# Allegro board TubiiPCB_V6.brd (continued)
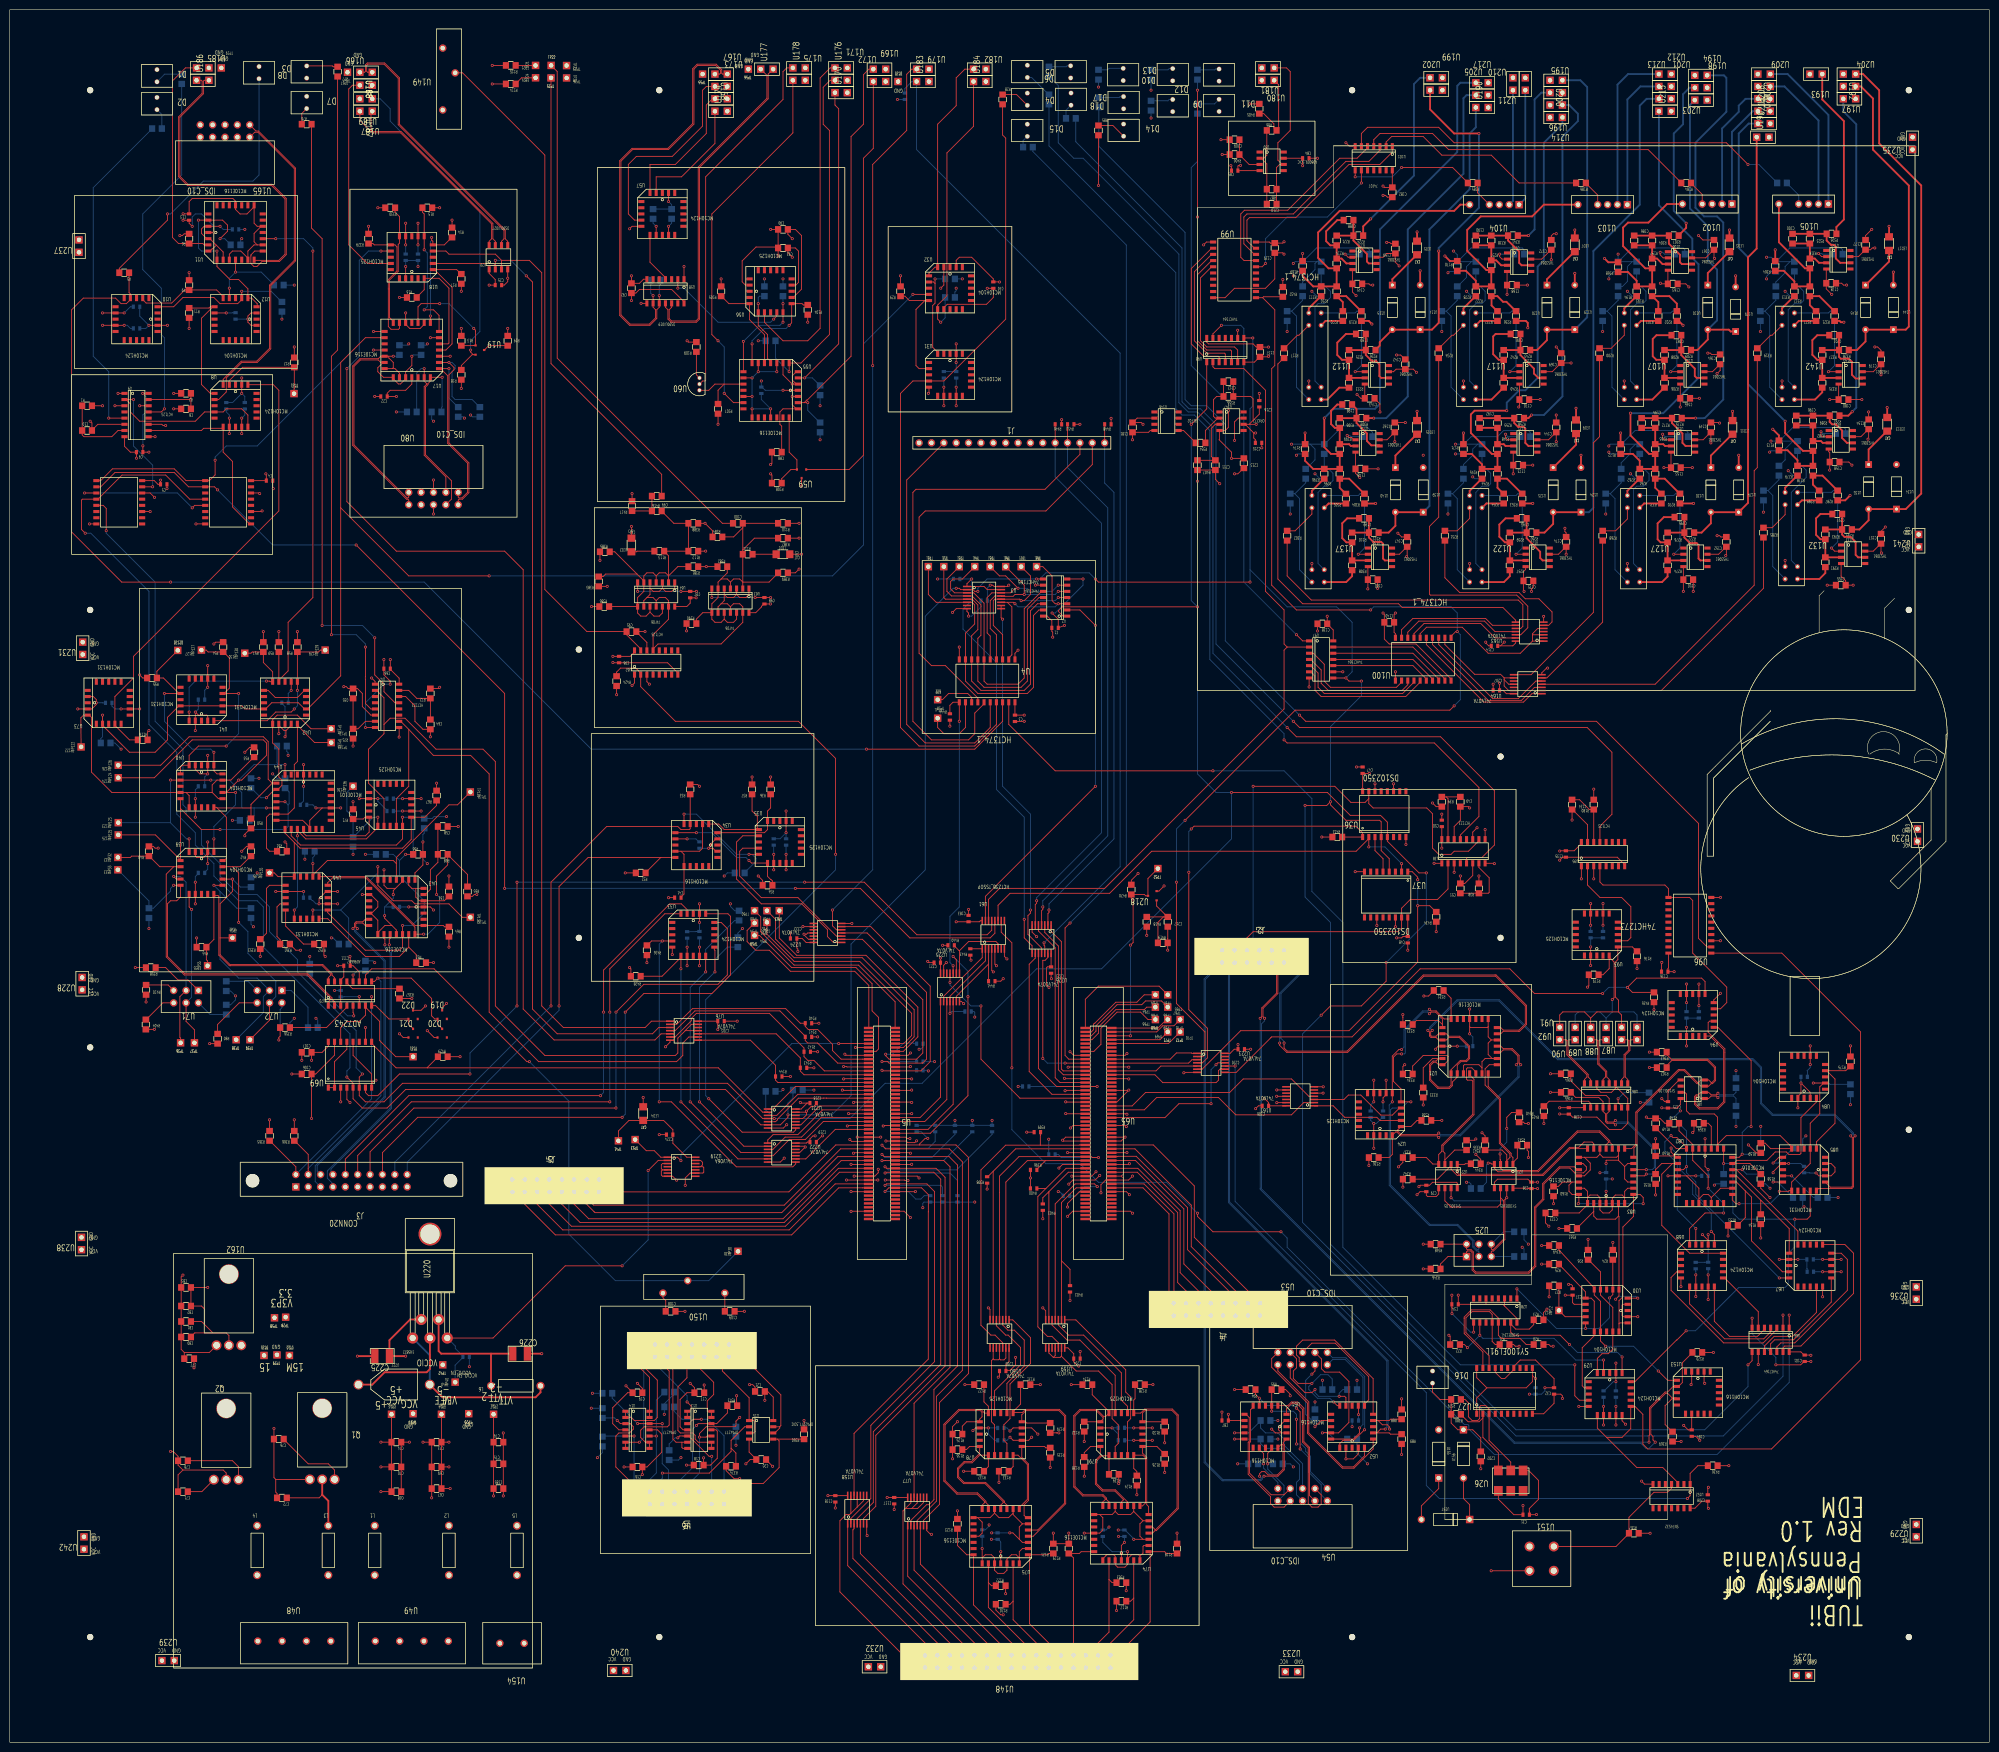
[diagram p0: board, top side]
## Routing (per net, layer and track width the routed paths; a pad name or vN(x,y) marks a point on that pad's centre or on a via; arc(x,y) is an arc through that point) (continued)
V3P3: length 305.8
  TOP w0.178: v1(162.31,131.32) 162.43,131.19 163.7,131.19 ; v1(40.64,93.34) C83.1 C82.2 39.37,89.53 40,88.9 40,85.72 ; R403.2 v1(217.68,90.68) ; U161.14 C206.1 258.44,131.3 257.66,132.08 v1(257.56,132.08) ; 163.7,131.19 162.48,129.97 U221.14 ; 163.7,131.19 C218.1 ; v1(206.5,78.99) 206.5,77.47 205.36,76.33 204.52,76.33 ; C81.2 39.37,86.36 40,85.72 ; 303.26,72.74 301.17,70.66 U27.1 ; 303.26,72.74 311.33,72.74 312.6,74.01 312.6,75.28 ; 303.26,72.74 301.17,74.82 U27.20 ; U77.14 C117.2 v1(180.14,50.24) ; U224.14 163.5,164.16 162.69,164.97 C222.2 161.59,163.02 161.8,162.81 v1(161.8,162.31) ; U226.14 C223.1 213.03,159.16 212.85,158.98 212.85,155.45 v1(213.36,154.94) ; R142.2 v1(165.86,141.73) ; R400.2 v1(209.55,115.82) R396.1 ; v1(252.17,143.21) C220.2 251.39,142.24 250.55,141.4 U223.14 ; R143.2 v1(165.1,138.43) ; LED4.2 v1(130.05,132.33) ; U26.6 311.82,55.79 313.87,53.74 313.87,49.88 311.97,47.98 311.97,47.39 311.99,47.37 C31.1 313.41,46.71 v1(313.44,46.74) ; v1(167.97,50.62) C118.2 U158.14 ; 40,85.72 41.7,84.03 ; v1(219.46,77.22) 219.3,77.22 218.44,78.08 C204.2 218.44,79.76 217.25,80.95 U159.14 ; U225.14 C221.2 v1(191.08,160.96) ; R140.2 v1(166.12,147.57) ; R144.2 v1(160.27,136.65) ; v1(145.36,146.3) C203.2 U76.14 ; U27.11 312.6,75.28 ; 312.6,75.28 v1(313.24,74.65) ; 204.52,76.33 C205.2 ; 204.52,76.33 204.52,77.52 205.16,78.16 U160.14 ; C80.2 37.2,83.24 37.99,84.03 41.7,84.03 ; R398.1 v1(200.66,113.54) ; R141.2 v1(165.86,144.78) ; 41.7,84.03 44.45,84.03 45,83.48 U162.2 ; R420.1 230.26,176.92 v1(231.65,178.31) ; v1(165.35,124.46) 164.89,124.46 164.29,123.85 C219.1 163.75,123.19 163.55,122.99 U222.14 ; R399.1 v1(208.79,125.22) ; R85.1 v1(223.52,319.53) ; R401.2 v1(212.09,107.44)
  VTT w0.178: 164.71,138.82 v1(165.1,138.43) ; v1(165.1,138.43) 165.49,138.82 ; v1(165.1,138.43) 165.49,138.04 ; v1(165.1,138.43) 164.71,138.04 ; v1(130.05,132.33) 130.44,131.94 ; v1(130.05,132.33) 130.44,132.73 ; v1(130.05,132.33) 129.65,132.73 ; v1(130.05,132.33) 129.65,131.94 ; v1(313.44,46.74) 313.83,47.13 ; v1(313.44,46.74) 313.83,46.34 ; v1(313.44,46.74) 313.04,47.13 ; v1(313.44,46.74) 313.04,46.34 ; v1(180.14,50.24) 180.53,49.85 ; v1(180.14,50.24) 179.74,50.63 ; v1(180.14,50.24) 179.74,49.85 ; v1(180.14,50.24) 180.53,50.63 ; 257.16,131.69 v1(257.56,132.08) ; v1(257.56,132.08) 257.95,132.47 ; v1(257.56,132.08) 257.16,132.47 ; v1(257.56,132.08) 257.95,131.69 ; 40.25,92.95 v1(40.64,93.34) ; v1(40.64,93.34) 41.03,93.74 ; v1(40.64,93.34) 41.03,92.95 ; v1(40.64,93.34) 40.25,93.74 ; 188.2,137.4 v1(188.59,137.8) ; v1(188.59,137.8) 188.99,138.19 ; v1(188.59,137.8) 188.2,138.19 ; v1(188.59,137.8) 188.99,137.4 ; 190.69,160.57 v1(191.08,160.96) ; v1(191.08,160.96) 191.48,160.57 ; v1(191.08,160.96) 190.69,161.35 ; v1(191.08,160.96) 191.48,161.35 ; 217.28,90.28 v1(217.68,90.68) ; v1(217.68,90.68) 218.07,90.28 ; v1(217.68,90.68) 218.07,91.07 ; v1(217.68,90.68) 217.28,91.07 ; 219.06,77.61 v1(219.46,77.22) 219.85,77.61 ; 197.73,110.48 v1(198.12,110.87) ; v1(198.12,110.87) 198.51,111.26 ; v1(198.12,110.87) 197.73,111.26 ; v1(198.12,110.87) 198.51,110.48 ; 206.64,134.99 v1(207.03,134.6) ; v1(207.03,134.6) 207.42,134.21 ; v1(207.03,134.6) 206.64,134.21 ; v1(207.03,134.6) 207.42,134.99 ; v1(166.12,147.57) 166.51,147.18 ; v1(166.12,147.57) 165.72,147.97 ; v1(166.12,147.57) 165.72,147.18 ; v1(166.12,147.57) 166.51,147.97 ; 159.88,136.26 v1(160.27,136.65) ; v1(160.27,136.65) 160.67,136.26 ; v1(160.27,136.65) 160.67,137.05 ; v1(160.27,136.65) 159.88,137.05 ; 208.39,125.62 v1(208.79,125.22) ; v1(208.79,125.22) 208.39,124.83 ; v1(208.79,125.22) 209.18,125.62 ; v1(208.79,125.22) 209.18,124.83 ; v1(223.52,319.53) 223.91,319.93 ; v1(223.52,319.53) 223.13,319.93 ; v1(223.52,319.53) 223.91,319.14 ; v1(223.52,319.53) 223.13,319.14 ; v1(161.8,162.31) 162.19,162.7 ; v1(161.8,162.31) 161.4,161.91 ; v1(161.8,162.31) 161.4,162.7 ; v1(161.8,162.31) 162.19,161.91 ; 200.27,113.14 v1(200.66,113.54) ; v1(200.66,113.54) 200.27,113.93 ; v1(200.66,113.54) 201.05,113.14 ; v1(200.66,113.54) 201.05,113.93 ; 212.97,154.55 v1(213.36,154.94) ; v1(213.36,154.94) 212.97,155.33 ; v1(213.36,154.94) 213.75,154.55 ; v1(213.36,154.94) 213.75,155.33 ; v1(165.35,124.46) 165.75,124.07 ; v1(165.35,124.46) 164.96,124.07 ; v1(165.35,124.46) 165.75,124.85 ; v1(165.35,124.46) 164.96,124.85 ; v1(197.61,127.63) 198.01,127.24 ; v1(197.61,127.63) 197.22,127.24 ; v1(197.61,127.63) 198.01,128.03 ; v1(197.61,127.63) 197.22,128.03 ; 193.66,127.24 v1(194.06,127.63) ; v1(194.06,127.63) 194.45,128.03 ; v1(194.06,127.63) 193.66,128.03 ; v1(194.06,127.63) 194.45,127.24 ; 211.7,107.84 v1(212.09,107.44) ; v1(212.09,107.44) 212.48,107.84 ; v1(212.09,107.44) 211.7,107.05 ; v1(212.09,107.44) 212.48,107.05 ; 161.91,131.71 v1(162.31,131.32) ; v1(162.31,131.32) 162.7,130.92 ; v1(162.31,131.32) 161.91,130.92 ; v1(162.31,131.32) 162.7,131.71 ; v1(215.27,113.03) 215.66,113.42 ; v1(215.27,113.03) 214.87,112.64 ; v1(215.27,113.03) 215.66,112.64 ; v1(215.27,113.03) 214.87,113.42 ; 201.28,127.24 v1(201.68,127.63) ; v1(201.68,127.63) 202.07,128.03 ; v1(201.68,127.63) 201.28,128.03 ; v1(201.68,127.63) 202.07,127.24 ; v1(206.5,78.99) 206.9,78.6 ; v1(206.5,78.99) 206.11,78.6 ; v1(206.5,78.99) 206.9,79.39 ; v1(206.5,78.99) 206.11,79.39 ; v1(165.86,141.73) 166.26,142.13 ; v1(165.86,141.73) 165.47,141.34 ; v1(165.86,141.73) 166.26,141.34 ; v1(165.86,141.73) 165.47,142.13 ; 144.97,145.91 v1(145.36,146.3) ; v1(145.36,146.3) 145.76,146.7 ; v1(145.36,146.3) 145.76,145.91 ; v1(145.36,146.3) 144.97,146.7 ; v1(167.97,50.62) 168.36,51.02 ; v1(167.97,50.62) 167.58,51.02 ; v1(167.97,50.62) 168.36,50.23 ; v1(167.97,50.62) 167.58,50.23 ; U162.2 45.76,82.23 ; U162.2 45.76,80.71 ; U162.2 44.23,82.23 ; U162.2 44.23,80.71 ; 292.7,64.81 U155.2 ; U155.2 292.7,63.46 ; U155.2 294.04,64.81 ; U155.2 294.04,63.46 ; 209.16,116.22 v1(209.55,115.82) ; v1(209.55,115.82) 209.94,115.43 ; v1(209.55,115.82) 209.94,116.22 ; v1(209.55,115.82) 209.16,115.43 ; v1(189.87,139.7) 190.26,140.09 ; v1(189.87,139.7) 190.26,139.31 ; v1(189.87,139.7) 189.47,140.09 ; v1(189.87,139.7) 189.47,139.31 ; 186.3,142.63 v1(186.69,142.24) ; v1(186.69,142.24) 187.08,141.85 ; v1(186.69,142.24) 187.08,142.63 ; v1(186.69,142.24) 186.3,141.85 ; v1(187.45,109.73) 187.85,110.12 ; v1(187.45,109.73) 187.85,109.33 ; v1(187.45,109.73) 187.06,109.33 ; v1(187.45,109.73) 187.06,110.12 ; 165.47,145.17 v1(165.86,144.78) ; v1(165.86,144.78) 165.47,144.39 ; v1(165.86,144.78) 166.26,144.39 ; v1(165.86,144.78) 166.26,145.17 ; v1(252.17,143.21) 252.56,143.6 ; v1(252.17,143.21) 251.78,143.6 ; v1(252.17,143.21) 252.56,142.81 ; v1(252.17,143.21) 251.78,142.81 ; 231.25,177.91 v1(231.65,178.31) ; v1(231.65,178.31) 231.25,178.7 ; v1(231.65,178.31) 232.04,177.91 ; v1(231.65,178.31) 232.04,178.7 ; 212.92,124.17 v1(213.31,123.77) ; v1(213.31,123.77) 213.7,124.17 ; v1(213.31,123.77) 212.92,123.38 ; v1(213.31,123.77) 213.7,123.38 ; 312.84,75.04 v1(313.24,74.65) ; v1(313.24,74.65) 313.63,74.25 ; v1(313.24,74.65) 312.84,74.25 ; v1(313.24,74.65) 313.63,75.04 ; 53.68,87.8 TP58.1 ; TP58.1 55.03,86.45 ; TP58.1 53.68,86.45 ; TP58.1 55.03,87.8
  BOTTOM w0.178: v1(188.59,137.8) 188.47,137.92 R437.1 ; R397.1 v1(213.31,123.77) ; R392.1 R146.1 v1(201.68,127.63) ; R392.1 v1(197.61,127.63) ; R392.1 R395.1 ; 216.28,112.14 216.28,112.27 215.52,113.03 v1(215.27,113.03) ; R393.1 R394.1 R395.1 ; R439.1 187.5,142.72 187.02,142.24 v1(186.69,142.24) ; R445.1 v1(207.03,134.6) ; v1(187.45,109.73) 187.45,110.62 187.71,110.87 R145.1 R391.1 R147.1 v1(198.12,110.87) ; R395.1 v1(194.06,127.63) ; R438.1 v1(189.87,139.7) ; v1(313.24,74.65) C33.2
VBAT: length 12.2
  TOP w0.178: U65.7 236.15,144.2 TP71.1
VCC: length 1088
  TOP w0.178: U36.16 C47.2 v1(279.12,198.86) ; U13.4 138.24,64.12 137.62,64.74 137.62,70.35 139.02,71.74 C17.1 140.57,72.79 v1(139.7,73.66) ; v1(372.19,91.44) U67.8 ; v1(324.56,172.13) U93.12 v1(324.56,167.69) ; v1(47.62,268.61) v1(47.62,271.78) ; v1(178.81,124.2) U5.58 v1(174,124.2) ; v1(281.94,319.41) 282.21,319.14 C182.2 U101.14 ; C21.1 155.02,71.95 ; 155.02,71.95 v1(155.02,70.18) ; 155.02,71.95 155.64,71.95 156.75,70.84 U15.8 ; v1(78.13,222.22) C66.1 78.13,220.22 79.95,218.4 U47.16 ; R434.2 v1(292.86,166.37) ; U62.16 128.27,223.77 127.38,222.88 C96.1 v1(123.83,222.88) ; U95.16 322.66,184.45 321.18,182.98 C135.2 318.26,182.98 v1(318.21,182.93) ; v1(205.36,63.88) 205.99,64.52 U78.12 209.8,64.52 v1(211.07,63.25) ; U61.4 201.6,158.44 v1(201.93,158.12) ; R424.1 v1(124.59,215.01) ; v1(252.09,289.81) U98.9 ; D22.3 84.44,150.23 v1(85.34,151.13) ; v1(301.62,177.8) R38.1 ; v1(172.47,123.7) 172.84,123.33 176.3,123.33 U5.60 ; R436.2 v1(352.93,56.77) ; U65.60 216.32,123.4 v1(216.15,123.57) 216.78,124.2 U65.58 ; v1(19.05,290.83) v1(23.5,290.83) ; U164.14 307.26,215.21 306.58,215.9 C207.2 v1(305.87,217.37) ; v1(89.66,151.64) 88.77,150.75 D19.3 ; v1(296.54,178.56) 296.54,180.4 ; v1(32,270.26) 31.48,270.26 31.23,270.51 U9.11 ; U70.11 71.76,158.12 70.48,159.38 69.9,159.38 69.9,161.24 v1(69.85,161.29) ; R75.2 v1(70.48,204.47) ; U9.3 v1(21.59,274.32) ; v1(258.42,286.36) C137.2 256.65,286.38 255.91,286.38 255.27,287.02 246.1,287.02 245.75,287.37 U98.14 ; v1(200.69,298.42) C40.2 201.93,296.55 200.53,295.15 192.47,295.15 191.77,294.45 U32.10 ; v1(344.25,151.81) U94.12 v1(344.25,155.62) ; U62.3 130.81,217.68 v1(131.32,217.17) ; R1.1 v1(19.05,274.32) ; v1(194.31,274.32) U31.12 v1(194.31,278.13) ; U66.14 367.73,80.12 368.38,79.47 C101.2 369.72,79.47 v1(369.77,79.42) ; R450.1 v1(219.71,270.51) ; U50.7 C84.1 v1(265.43,323.6) ; v1(188.59,276.86) 188.72,276.99 U31.8 ; 306.07,225.04 308.59,225.04 309.17,225.63 U163.14 ; 306.07,225.04 C214.2 ; 306.07,225.04 v1(306.83,225.81) ; R448.1 v1(226.11,271.73) ; U2.9 v1(210.57,237.49) ; C50.1 U38.16 v1(294,183.52) ; U20.1 98.42,301.47 99.67,300.23 C25.1 v1(98.42,299.08) ; U37.16 C48.2 286.03,165.38 285.75,165.1 v1(284.73,165.1) ; U65.59 228.18,123.4 228.98,124.2 ; v1(27.31,276.86) U9.16 ; v1(214.12,226.82) 214.12,227.85 213.94,228.03 C1.2 213.94,230.2 213.01,231.14 U2.14 ; v1(202.56,159.38) 202.26,159.69 U61.5 ; R387.2 v1(162.05,247.14) ; 228.98,124.2 U65.57 ; 228.98,124.2 v1(228.98,124.21) ; U94.8 349.83,152.35 v1(351.2,153.72) ; R39.1 292.85,192.04 v1(292.1,192.79) ; U58.14 138.43,295.66 135.89,298.2 129.29,298.2 128.54,297.45 C92.2 v1(127.63,295.91) ; R72.1 88,216.27 v1(88.27,216.54) ; R429.1 v1(92.46,140.72) ; U150.3 134.11,91.22 134.67,90.66 C108.2 ; v1(162.05,240.79) 161.29,240.03 R389.2 ; U66.9 v1(358.98,77.52) ; v1(127.25,159) 127.52,158.73 R428.1 ; U132.3 v1(364.49,242.57) ; R385.2 v1(121.17,242.59) ; R110.2 v1(162.05,250.19) ; R390.2 v1(138.95,228.11) ; v1(329.75,68.93) U29.12 v1(329.75,65.12) ; v1(140.92,234.9) C97.2 139.7,233.81 139,233.11 U64.14 ; v1(27.33,266.09) C9.1 v1(28.57,264.8) ; v1(127.25,310.64) 127.76,311.15 U57.8 ; v1(341.71,158.16) C136.1 340.44,158.83 340.54,158.93 U96.20 ; R180.1 v1(325.2,195.63) ; v1(80.65,193.68) U45.12 v1(84.45,193.68) ; v1(372.19,99.11) U67.12 v1(376,99.11) ; v1(234.57,64.52) U79.12 v1(230.76,64.52) ; R426.1 v1(130.81,160.02) ; v1(280.03,131.44) U24.12 v1(280.03,135.89) ; U29.8 v1(322.13,68.93) ; v1(135.25,311.15) U57.12 ; U107.3 v1(331.47,279.4) ; U96.3 v1(351.2,164.51) ; v1(201.3,237.49) 201.82,237.49 202.08,237.23 U3.16 204.84,237.23 v1(205.1,237.49) ; v1(30.96,259.05) C5.2 30.43,258.19 29.66,258.95 U1.16 ; U4.1 206.38,223.52 v1(207.01,224.16) ; U69.3 v1(67.95,131.44) ; v1(348.74,48.01) 348.61,48.13 C208.1 347.42,49.48 345.98,48.04 U152.14 ; R384.2 144.29,248.65 v1(142.75,250.19) R388.2 ; U68.8 v1(343.1,93.52) ; R433.2 v1(269.37,185.8) ; U97.9 v1(273.69,219.71) ; U142.3 v1(363.85,279.4) ; U37.14 v1(284.48,167.39) ; R443.1 197.21,160.68 v1(197.36,160.53) ; R381.2 v1(143,241.3) R382.2 ; U97.14 271.72,228.29 270.48,229.52 C138.2 v1(270.48,231.11) ; v1(126.51,73.15) 127.87,71.8 C19.1 126.85,71.74 123.79,68.68 123.79,65.39 125.06,64.12 U14.4 ; U99.20 258.59,307.92 258.81,307.71 C139.1 261.35,307.71 v1(261.62,307.98) ; R114.1 v1(99.06,340.36) ; v1(81.28,311.79) U18.12 v1(81.28,307.34) ; 332.1,240.67 v1(332.1,241.94) ; U5.12 v1(173.63,142.6) ; v1(203.96,156.72) 203.45,156.21 R441.1 ; v1(52.58,260.35) 52.68,260.25 C4.1 U7.16 ; v1(184.8,123.91) 184.28,123.91 183.99,124.2 U5.57 ; v1(208.28,210.82) C3.1 U4.20 ; U122.3 v1(299.72,241.94) ; U151.1 v1(304.14,35.2) ; R432.2 v1(261.37,300.23) ; U56.12 161.38,299.08 161.93,299.63 161.93,306.07 161.29,306.7 C93.2 159.75,305.7 v1(160.66,304.8) ; U58.1 v1(138.43,302.89) ; R386.2 v1(119.44,233.11) ; R444.1 v1(193.01,208.56) ; v1(76.2,51.43) C68.1 C70.1 ; C74.1 v1(76.2,61.59) ; C74.1 TP13.1 ; C74.1 C70.1 ; U7.14 51.18,256.41 v1(51.31,256.29) ; v1(141.6,159.38) v1(141.6,163.19) ; v1(156.16,233.63) C98.2 154.81,233.63 154.34,233.16 154.34,233.03 153.15,231.84 U63.14 ; U112.3 v1(266.7,279.4) ; v1(179.88,123.4) U5.59 184.04,123.4 184.36,123.07 185.81,123.07 v1(186.18,123.44) ; U1.14 28.83,256.41 v1(29.72,255.52) ; R446.1 v1(215.95,271.48) ; v1(194.31,168.4) C183.1 199.07,168.4 199.27,168.61 U61.16 ; R440.1 v1(191.52,163.58) ; v1(348.69,90.85) U68.12 v1(348.69,95.93) ; R435.2 v1(337.57,150.37) ; v1(159.38,179.07) v1(159.38,182.25) ; R112.2 v1(142.88,244.48) ; U137.3 v1(267.33,241.94) ; v1(301.24,187.71) 300.35,186.82 U38.11 ; U117.3 v1(298.45,279.4) ; U100.20 284.48,227.55 284.21,227.82 C140.1 284.21,231.51 v1(284.48,231.77) ; C77.2 v1(37.83,76.85) ; U36.14 v1(280.29,196.72) ; U33.8 v1(136.02,161.67) ; R2.1 v1(33.66,276.86) ; R115.1 v1(99.06,344.17) ; C70.1 v1(76.2,56.51) ; R383.2 v1(122.67,237.25) ; R418.1 v1(233.43,165.61)
  TOP w0.381: U220.2 82.21,86.78 77.96,82.53 C225.1 v1(81.28,79.25)
  VCC w0.178: v1(27.33,266.09) 27.72,265.7 ; v1(27.33,266.09) 27.72,266.48 ; v1(27.33,266.09) 26.94,266.48 ; v1(27.33,266.09) 26.94,265.7 ; v1(351.2,164.51) 351.6,164.12 ; v1(351.2,164.51) 351.6,164.91 ; v1(351.2,164.51) 350.81,164.91 ; v1(351.2,164.51) 350.81,164.12 ; v1(85.34,151.13) 85.74,150.74 ; v1(85.34,151.13) 85.74,151.52 ; v1(85.34,151.13) 84.95,151.52 ; v1(85.34,151.13) 84.95,150.74 ; v1(364.49,242.57) 364.88,242.96 ; v1(364.49,242.57) 364.88,242.18 ; v1(364.49,242.57) 364.1,242.96 ; v1(364.49,242.57) 364.1,242.18 ; v1(348.69,95.93) 349.08,95.54 ; v1(348.69,95.93) 348.3,96.33 ; v1(348.69,95.93) 349.08,96.33 ; v1(348.69,95.93) 348.3,95.54 ; 305.14,316.27 U104.3 ; U104.3 306.49,314.92 ; U104.3 305.14,314.92 ; U104.3 306.49,316.27 ; 77.7,66.65 TP13.1 ; TP13.1 79.05,66.65 ; TP13.1 79.05,68 ; TP13.1 77.7,68 ; U236.1 392.09,90.26 ; U236.1 390.74,90.26 ; U236.1 392.09,91.61 ; U236.1 390.74,91.61 ; v1(99.06,340.36) 99.45,339.97 ; v1(99.06,340.36) 98.67,339.97 ; v1(99.06,340.36) 99.45,340.75 ; v1(99.06,340.36) 98.67,340.75 ; 331.71,242.33 v1(332.1,241.94) ; v1(332.1,241.94) 331.71,241.54 ; v1(332.1,241.94) 332.5,242.33 ; v1(332.1,241.94) 332.5,241.54 ; 154.63,69.79 v1(155.02,70.18) ; v1(155.02,70.18) 155.41,70.58 ; v1(155.02,70.18) 155.41,69.79 ; v1(155.02,70.18) 154.63,70.58 ; v1(363.85,279.4) 364.25,279.79 ; v1(363.85,279.4) 363.46,279.79 ; v1(363.85,279.4) 364.25,279.01 ; v1(363.85,279.4) 363.46,279.01 ; 332.1,240.67 332.64,240.13 ; 332.1,240.67 332.64,241.2 ; 332.1,240.67 331.57,240.13 ; 332.1,240.67 331.57,241.2 ; v1(173.63,142.6) 174.02,142.99 ; v1(173.63,142.6) 174.02,142.21 ; v1(173.63,142.6) 173.24,142.21 ; v1(173.63,142.6) 173.24,142.99 ; v1(281.94,319.41) 282.33,319.8 ; v1(281.94,319.41) 282.33,319.01 ; v1(281.94,319.41) 281.55,319.01 ; v1(281.94,319.41) 281.55,319.8 ; 184.41,124.31 v1(184.8,123.91) ; v1(184.8,123.91) 184.41,123.52 ; v1(184.8,123.91) 185.2,123.52 ; v1(184.8,123.91) 185.2,124.31 ; 215.56,271.87 v1(215.95,271.48) ; v1(215.95,271.48) 216.34,271.87 ; v1(215.95,271.48) 216.34,271.08 ; v1(215.95,271.48) 215.56,271.08 ; 266.8,240.13 U137.3 ; U137.3 267.87,241.2 ; U137.3 266.8,241.2 ; U137.3 267.87,240.13 ; U162.3 48.3,82.23 ; U162.3 46.77,82.23 ; U162.3 48.3,80.71 ; U162.3 46.77,80.71 ; v1(228.98,124.21) 229.37,123.81 ; v1(228.98,124.21) 228.59,124.6 ; v1(228.98,124.21) 229.37,124.6 ; v1(228.98,124.21) 228.59,123.81 ; v1(301.62,177.8) 302.02,177.41 ; v1(301.62,177.8) 302.02,178.19 ; v1(301.62,177.8) 301.23,177.41 ; v1(301.62,177.8) 301.23,178.19 ; 130.42,160.41 v1(130.81,160.02) ; v1(130.81,160.02) 130.42,159.63 ; v1(130.81,160.02) 131.2,159.63 ; v1(130.81,160.02) 131.2,160.41 ; 331.08,279.79 v1(331.47,279.4) ; v1(331.47,279.4) 331.86,279.01 ; v1(331.47,279.4) 331.08,279.01 ; v1(331.47,279.4) 331.86,279.79 ; v1(141.6,163.19) 142,162.8 ; v1(141.6,163.19) 141.21,162.8 ; v1(141.6,163.19) 142,163.59 ; v1(141.6,163.19) 141.21,163.59 ; 196.96,160.13 v1(197.36,160.53) ; v1(197.36,160.53) 196.96,160.92 ; v1(197.36,160.53) 197.75,160.92 ; v1(197.36,160.53) 197.75,160.13 ; v1(376,99.11) 376.39,98.71 ; v1(376,99.11) 375.6,99.5 ; v1(376,99.11) 376.39,99.5 ; v1(376,99.11) 375.6,98.71 ; 192.62,208.95 v1(193.01,208.56) ; v1(193.01,208.56) 192.62,208.17 ; v1(193.01,208.56) 193.41,208.17 ; v1(193.01,208.56) 193.41,208.95 ; 31.61,270.65 v1(32,270.26) ; v1(32,270.26) 31.61,269.86 ; v1(32,270.26) 32.4,269.86 ; v1(32,270.26) 32.4,270.65 ; 158.36,134.38 v1(158.75,133.99) ; v1(158.75,133.99) 159.14,133.59 ; v1(158.75,133.99) 159.14,134.38 ; v1(158.75,133.99) 158.36,133.59 ; 140.53,235.29 v1(140.92,234.9) ; v1(140.92,234.9) 140.53,234.51 ; v1(140.92,234.9) 141.31,235.29 ; v1(140.92,234.9) 141.31,234.51 ; v1(98.42,299.08) 98.82,298.69 ; v1(98.42,299.08) 98.03,299.48 ; v1(98.42,299.08) 98.82,299.48 ; v1(98.42,299.08) 98.03,298.69 ; 279.64,131.05 v1(280.03,131.44) ; v1(280.03,131.44) 280.43,131.05 ; v1(280.03,131.44) 279.64,131.84 ; v1(280.03,131.44) 280.43,131.84 ; v1(139.7,73.66) 140.09,74.05 ; v1(139.7,73.66) 140.09,73.27 ; v1(139.7,73.66) 139.31,73.27 ; v1(139.7,73.66) 139.31,74.05 ; 266.16,278.67 U112.3 ; U112.3 267.24,278.67 ; U112.3 267.24,277.59 ; U112.3 266.16,277.59 ; v1(329.75,65.12) 330.14,65.51 ; v1(329.75,65.12) 330.14,64.73 ; v1(329.75,65.12) 329.35,64.73 ; v1(329.75,65.12) 329.35,65.51 ; U102.3 350.18,316.4 ; U102.3 348.83,316.4 ; U102.3 350.18,315.05 ; U102.3 348.83,315.05 ; 14.31,223.94 U231.1 ; U231.1 14.31,222.59 ; U231.1 15.66,222.59 ; U231.1 15.66,223.94 ; 299.33,242.33 v1(299.72,241.94) ; v1(299.72,241.94) 299.33,241.54 ; v1(299.72,241.94) 300.11,241.54 ; v1(299.72,241.94) 300.11,242.33 ; 92.06,141.11 v1(92.46,140.72) ; v1(92.46,140.72) 92.85,140.32 ; v1(92.46,140.72) 92.85,141.11 ; v1(92.46,140.72) 92.06,140.32 ; 358.58,77.12 v1(358.98,77.52) ; v1(358.98,77.52) 359.37,77.12 ; v1(358.98,77.52) 359.37,77.91 ; v1(358.98,77.52) 358.58,77.91 ; U103.3 328.71,316.27 ; U103.3 327.37,314.92 ; U103.3 327.37,316.27 ; U103.3 328.71,314.92 ; v1(294,183.52) 294.4,183.91 ; v1(294,183.52) 294.4,183.12 ; v1(294,183.52) 293.61,183.12 ; v1(294,183.52) 293.61,183.91 ; v1(190.5,238.76) 190.89,239.15 ; v1(190.5,238.76) 190.89,238.37 ; v1(190.5,238.76) 190.11,239.15 ; v1(190.5,238.76) 190.11,238.37 ; 203.57,156.32 v1(203.96,156.72) ; v1(203.96,156.72) 203.57,157.11 ; v1(203.96,156.72) 204.36,157.11 ; v1(203.96,156.72) 204.36,156.32 ; 343.85,156.02 v1(344.25,155.62) ; v1(344.25,155.62) 344.64,155.23 ; v1(344.25,155.62) 344.64,156.02 ; v1(344.25,155.62) 343.85,155.23 ; v1(292.86,166.37) 293.26,166.76 ; v1(292.86,166.37) 292.47,166.76 ; v1(292.86,166.37) 293.26,165.98 ; v1(292.86,166.37) 292.47,165.98 ; 160.26,305.19 v1(160.66,304.8) ; v1(160.66,304.8) 161.05,304.41 ; v1(160.66,304.8) 161.05,305.19 ; v1(160.66,304.8) 160.26,304.41 ; 150.03,166.61 v1(150.42,167) ; v1(150.42,167) 150.81,167.4 ; v1(150.42,167) 150.81,166.61 ; v1(150.42,167) 150.03,167.4 ; 303.75,34.81 v1(304.14,35.2) ; v1(304.14,35.2) 304.54,34.81 ; v1(304.14,35.2) 303.75,35.59 ; v1(304.14,35.2) 304.54,35.59 ; 126.86,310.25 v1(127.25,310.64) ; v1(127.25,310.64) 126.86,311.04 ; v1(127.25,310.64) 127.65,310.25 ; v1(127.25,310.64) 127.65,311.04 ; 321.73,68.54 v1(322.13,68.93) ; v1(322.13,68.93) 322.52,68.54 ; v1(322.13,68.93) 322.52,69.32 ; v1(322.13,68.93) 321.73,69.32 ; 75.81,51.04 v1(76.2,51.43) ; v1(76.2,51.43) 76.59,51.83 ; v1(76.2,51.43) 75.81,51.83 ; v1(76.2,51.43) 76.59,51.04 ; 284.34,164.71 v1(284.73,165.1) ; v1(284.73,165.1) 284.34,165.49 ; v1(284.73,165.1) 285.13,165.49 ; v1(284.73,165.1) 285.13,164.71 ; 18.66,290.44 v1(19.05,290.83) ; v1(19.05,290.83) 19.44,291.22 ; v1(19.05,290.83) 19.44,290.44 ; v1(19.05,290.83) 18.66,291.22 ; 258.03,285.97 v1(258.42,286.36) ; v1(258.42,286.36) 258.03,286.75 ; v1(258.42,286.36) 258.81,285.97 ; v1(258.42,286.36) 258.81,286.75 ; 126.86,159.4 v1(127.25,159) ; v1(127.25,159) 127.65,159.4 ; v1(127.25,159) 127.65,158.61 ; v1(127.25,159) 126.86,158.61 ; 371.79,99.5 v1(372.19,99.11) ; v1(372.19,99.11) 371.79,98.71 ; v1(372.19,99.11) 372.58,98.71 ; v1(372.19,99.11) 372.58,99.5 ; v1(210.57,237.49) 210.96,237.88 ; v1(210.57,237.49) 210.96,237.1 ; v1(210.57,237.49) 210.17,237.1 ; v1(210.57,237.49) 210.17,237.88 ; v1(162.05,247.14) 162.45,246.75 ; v1(162.05,247.14) 162.45,247.54 ; v1(162.05,247.14) 161.66,247.54 ; v1(162.05,247.14) 161.66,246.75 ; 30.57,258.66 v1(30.96,259.05) ; v1(30.96,259.05) 30.57,259.45 ; v1(30.96,259.05) 31.36,258.66 ; v1(30.96,259.05) 31.36,259.45 ; 52.18,259.96 v1(52.58,260.35) ; v1(52.58,260.35) 52.18,260.74 ; v1(52.58,260.35) 52.97,259.96 ; v1(52.58,260.35) 52.97,260.74 ; 119.05,232.71 v1(119.44,233.11) ; v1(119.44,233.11) 119.05,233.5 ; v1(119.44,233.11) 119.84,233.5 ; v1(119.44,233.11) 119.84,232.71 ; 342.71,93.92 v1(343.1,93.52) ; v1(343.1,93.52) 343.5,93.92 ; v1(343.1,93.52) 342.71,93.13 ; v1(343.1,93.52) 343.5,93.13 ; 201.54,157.72 v1(201.93,158.12) ; v1(201.93,158.12) 202.32,158.51 ; v1(201.93,158.12) 201.54,158.51 ; v1(201.93,158.12) 202.32,157.72 ; v1(94.36,77.09) 94.75,77.48 ; v1(94.36,77.09) 93.97,77.48 ; v1(94.36,77.09) 93.97,76.7 ; v1(94.36,77.09) 94.75,76.7 ; 225.72,271.34 v1(226.11,271.73) ; v1(226.11,271.73) 226.5,271.34 ; v1(226.11,271.73) 226.5,272.12 ; v1(226.11,271.73) 225.72,272.12 ; v1(27.31,276.86) 27.7,277.25 ; v1(27.31,276.86) 27.7,276.47 ; v1(27.31,276.86) 26.91,277.25 ; v1(27.31,276.86) 26.91,276.47 ; v1(348.69,90.85) 349.08,90.46 ; v1(348.69,90.85) 348.3,91.25 ; v1(348.69,90.85) 349.08,91.25 ; v1(348.69,90.85) 348.3,90.46 ; v1(174,124.2) 174.39,124.59 ; v1(174,124.2) 174.39,123.81 ; v1(174,124.2) 173.6,123.81 ; v1(174,124.2) 173.6,124.59 ; 37.44,76.46 v1(37.83,76.85) ; v1(37.83,76.85) 38.22,76.46 ; v1(37.83,76.85) 38.22,77.24 ; v1(37.83,76.85) 37.44,77.24 ; 89.27,151.24 v1(89.66,151.64) ; v1(89.66,151.64) 90.06,151.24 ; v1(89.66,151.64) 90.06,152.03 ; v1(89.66,151.64) 89.27,152.03 ; v1(194.31,278.13) 194.7,278.52 ; v1(194.31,278.13) 193.92,277.74 ; v1(194.31,278.13) 193.92,278.52 ; v1(194.31,278.13) 194.7,277.74 ; 317.82,183.32 v1(318.21,182.93) ; v1(318.21,182.93) 318.6,182.53 ; v1(318.21,182.93) 317.82,182.53 ; v1(318.21,182.93) 318.6,183.32 ; U117.3 298.99,277.59 ; U117.3 297.91,278.67 ; U117.3 297.91,277.59 ; U117.3 298.99,278.67 ; v1(135.25,311.15) 135.65,311.54 ; v1(135.25,311.15) 135.65,310.76 ; v1(135.25,311.15) 134.86,311.54 ; v1(135.25,311.15) 134.86,310.76 ; U239.1 31.92,17.44 ; U239.1 31.92,16.09 ; U239.1 30.57,17.44 ; U239.1 30.57,16.09 ; 120.78,242.19 v1(121.17,242.59) ; v1(121.17,242.59) 121.57,242.19 ; v1(121.17,242.59) 121.57,242.98 ; v1(121.17,242.59) 120.78,242.98 ; v1(219.71,270.51) 220.1,270.9 ; v1(219.71,270.51) 220.1,270.12 ; v1(219.71,270.51) 219.32,270.9 ; v1(219.71,270.51) 219.32,270.12 ; 200.9,237.1 v1(201.3,237.49) ; v1(201.3,237.49) 201.69,237.1 ; v1(201.3,237.49) 200.9,237.88 ; v1(201.3,237.49) 201.69,237.88 ; v1(178.81,124.2) 179.2,124.59 ; v1(178.81,124.2) 179.2,123.81 ; v1(178.81,124.2) 178.42,124.59 ; v1(178.81,124.2) 178.42,123.81 ; 158.99,178.68 v1(159.38,179.07) ; v1(159.38,179.07) 159.78,179.46 ; v1(159.38,179.07) 158.99,179.46 ; v1(159.38,179.07) 159.78,178.68 ; U122.3 300.26,240.13 ; U122.3 299.18,240.13 ; U122.3 300.26,241.2 ; U122.3 299.18,241.2 ; v1(284.48,167.39) 284.87,167.78 ; v1(284.48,167.39) 284.87,166.99 ; v1(284.48,167.39) 284.09,166.99 ; v1(284.48,167.39) 284.09,167.78 ; 142.61,240.91 v1(143,241.3) ; v1(143,241.3) 143.4,241.69 ; v1(143,241.3) 143.4,240.91 ; v1(143,241.3) 142.61,241.69 ; v1(127.63,295.91) 128.03,296.3 ; v1(127.63,295.91) 127.24,296.3 ; v1(127.63,295.91) 127.24,295.52 ; v1(127.63,295.91) 128.03,295.52 ; 278.73,199.25 v1(279.12,198.86) ; v1(279.12,198.86) 279.51,198.46 ; v1(279.12,198.86) 279.51,199.25 ; v1(279.12,198.86) 278.73,198.46 ; v1(138.95,228.11) 139.35,227.71 ; v1(138.95,228.11) 139.35,228.5 ; v1(138.95,228.11) 138.56,227.71 ; v1(138.95,228.11) 138.56,228.5 ; v1(205.36,63.88) 205.75,64.27 ; v1(205.36,63.88) 204.97,63.49 ; v1(205.36,63.88) 205.75,63.49 ; v1(205.36,63.88) 204.97,64.27 ; v1(47.62,268.61) 48.02,268.21 ; v1(47.62,268.61) 47.23,268.21 ; v1(47.62,268.61) 47.23,269 ; v1(47.62,268.61) 48.02,269 ; U149.3 89.57,348.4 ; U149.3 88.23,348.4 ; U149.3 88.23,347.05 ; U149.3 89.57,347.05 ; v1(23.5,290.83) 23.89,290.44 ; v1(23.5,290.83) 23.1,291.22 ; v1(23.5,290.83) 23.1,290.44 ; v1(23.5,290.83) 23.89,291.22 ; 124.19,215.4 v1(124.59,215.01) ; v1(124.59,215.01) 124.98,214.62 ; v1(124.59,215.01) 124.19,214.62 ; v1(124.59,215.01) 124.98,215.4 ; v1(122.67,237.25) 123.06,237.64 ; v1(122.67,237.25) 122.27,237.64 ; v1(122.67,237.25) 122.27,236.86 ; v1(122.67,237.25) 123.06,236.86 ; 270.09,230.72 v1(270.48,231.11) ; v1(270.48,231.11) 270.88,230.72 ; v1(270.48,231.11) 270.09,231.51 ; v1(270.48,231.11) 270.88,231.51 ; v1(261.37,300.23) 261.76,299.83 ; v1(261.37,300.23) 260.97,300.62 ; v1(261.37,300.23) 261.76,300.62 ; v1(261.37,300.23) 260.97,299.83 ; 371.79,91.05 v1(372.19,91.44) ; v1(372.19,91.44) 371.79,91.83 ; v1(372.19,91.44) 372.58,91.83 ; v1(372.19,91.44) 372.58,91.05 ; 261.2,15.15 U233.1 ; U233.1 261.2,13.8 ; U233.1 262.55,15.15 ; U233.1 262.55,13.8 ; U241.1 392.6,244.69 ; U241.1 391.25,246.04 ; U241.1 392.6,246.04 ; U241.1 391.25,244.69 ; v1(81.28,79.25) 81.67,78.85 ; v1(81.28,79.25) 81.67,79.64 ; v1(81.28,79.25) 80.89,78.85 ; v1(81.28,79.25) 80.89,79.64 ; v1(298.45,279.4) 298.84,279.01 ; v1(298.45,279.4) 298.84,279.79 ; v1(298.45,279.4) 298.06,279.79 ; v1(298.45,279.4) 298.06,279.01 ; U228.1 15.53,155.11 ; U228.1 14.19,155.11 ; U228.1 14.19,153.76 ; U228.1 15.53,153.76 ; v1(69.85,161.29) 70.24,161.68 ; v1(69.85,161.29) 69.46,161.68 ; v1(69.85,161.29) 70.24,160.9 ; v1(69.85,161.29) 69.46,160.9 ; v1(142.88,244.48) 143.27,244.87 ; v1(142.88,244.48) 143.27,244.08 ; v1(142.88,244.48) 142.48,244.08 ; v1(142.88,244.48) 142.48,244.87 ; v1(21.59,274.32) 21.98,273.93 ; v1(21.59,274.32) 21.98,274.71 ; v1(21.59,274.32) 21.2,274.71 ; v1(21.59,274.32) 21.2,273.93 ; 161.66,250.58 v1(162.05,250.19) ; v1(162.05,250.19) 162.45,250.58 ; v1(162.05,250.19) 162.45,249.8 ; v1(162.05,250.19) 161.66,249.8 ; 268.97,186.19 v1(269.37,185.8) ; v1(269.37,185.8) 269.76,185.41 ; v1(269.37,185.8) 269.76,186.19 ; v1(269.37,185.8) 268.97,185.41 ; v1(296.54,178.56) 296.94,178.96 ; v1(296.54,178.56) 296.15,178.96 ; v1(296.54,178.56) 296.94,178.17 ; v1(296.54,178.56) 296.15,178.17 ; v1(136.02,161.67) 136.41,161.28 ; v1(136.02,161.67) 135.62,161.28 ; v1(136.02,161.67) 136.41,162.06 ; v1(136.02,161.67) 135.62,162.06 ; U150.3 134.79,92.88 ; U150.3 133.44,92.88 ; U150.3 133.44,91.53 ; U150.3 134.79,91.53 ; v1(324.56,172.13) 324.95,172.53 ; v1(324.56,172.13) 324.17,172.53 ; v1(324.56,172.13) 324.17,171.74 ; v1(324.56,172.13) 324.95,171.74 ; 191.12,163.97 v1(191.52,163.58) ; v1(191.52,163.58) 191.12,163.18 ; v1(191.52,163.58) 191.91,163.18 ; v1(191.52,163.58) 191.91,163.97 ; 251.7,290.21 v1(252.09,289.81) ; v1(252.09,289.81) 252.49,289.42 ; v1(252.09,289.81) 251.7,289.42 ; v1(252.09,289.81) 252.49,290.21 ; v1(306.83,225.81) 307.23,226.2 ; v1(306.83,225.81) 307.23,225.41 ; v1(306.83,225.81) 306.44,226.2 ; v1(306.83,225.81) 306.44,225.41 ; 75.81,61.99 v1(76.2,61.59) ; v1(76.2,61.59) 75.81,61.2 ; v1(76.2,61.59) 76.59,61.2 ; v1(76.2,61.59) 76.59,61.99 ; 230.37,64.12 v1(230.76,64.52) ; v1(230.76,64.52) 231.15,64.12 ; v1(230.76,64.52) 230.37,64.91 ; v1(230.76,64.52) 231.15,64.91 ; U105.3 369.99,316.4 ; U105.3 368.64,316.4 ; U105.3 368.64,315.05 ; U105.3 369.99,315.05 ; U132.3 365.03,241.84 ; U132.3 365.03,240.76 ; U132.3 363.95,241.84 ; U132.3 363.95,240.76 ; 329.35,69.32 v1(329.75,68.93) ; v1(329.75,68.93) 330.14,68.54 ; v1(329.75,68.93) 329.35,68.54 ; v1(329.75,68.93) 330.14,69.32 ; 164.71,133.46 v1(165.1,133.86) ; v1(165.1,133.86) 164.71,134.25 ; v1(165.1,133.86) 165.49,133.46 ; v1(165.1,133.86) 165.49,134.25 ; v1(179.88,123.4) 180.27,123.79 ; v1(179.88,123.4) 179.48,123.79 ; v1(179.88,123.4) 180.27,123.01 ; 266.94,241.54 v1(267.33,241.94) ; v1(267.33,241.94) 267.73,241.54 ; v1(267.33,241.94) 267.73,242.33 ; v1(267.33,241.94) 266.94,242.33 ; 300.85,188.1 v1(301.24,187.71) ; v1(301.24,187.71) 301.64,188.1 ; v1(301.24,187.71) 301.64,187.31 ; v1(301.24,187.71) 300.85,187.31 ; U237.1 14.9,305.14 ; U237.1 13.55,306.49 ; U237.1 14.9,306.49 ; U237.1 13.55,305.14 ; 265.04,323.99 v1(265.43,323.6) ; v1(265.43,323.6) 265.82,323.2 ; v1(265.43,323.6) 265.04,323.2 ; v1(265.43,323.6) 265.82,323.99 ; 215.76,123.96 v1(216.15,123.57) ; v1(216.15,123.57) 216.55,123.96 ; v1(216.15,123.57) 215.76,123.18 ; v1(216.15,123.57) 216.55,123.18 ; v1(261.62,307.98) 262.01,307.58 ; v1(261.62,307.98) 262.01,308.37 ; v1(261.62,307.98) 261.23,307.58 ; v1(261.62,307.98) 261.23,308.37 ; v1(207.01,224.16) 207.4,224.55 ; v1(207.01,224.16) 207.4,223.76 ; v1(207.01,224.16) 206.62,223.76 ; v1(207.01,224.16) 206.62,224.55 ; 213.73,226.43 v1(214.12,226.82) ; v1(214.12,226.82) 214.52,227.22 ; v1(214.12,226.82) 213.73,227.22 ; v1(214.12,226.82) 214.52,226.43 ; v1(280.03,135.89) 280.43,135.5 ; v1(280.03,135.89) 280.43,136.28 ; v1(280.03,135.89) 279.64,135.5 ; v1(280.03,135.89) 279.64,136.28 ; 188.2,276.47 v1(188.59,276.86) ; v1(188.59,276.86) 188.99,277.25 ; v1(188.59,276.86) 188.99,276.47 ; v1(188.59,276.86) 188.2,277.25 ; U232.1 176.95,16.17 ; U232.1 176.95,14.82 ; U232.1 175.6,16.17 ; U232.1 175.6,14.82 ; 123.43,222.49 v1(123.83,222.88) ; v1(123.83,222.88) 123.43,223.28 ; v1(123.83,222.88) 124.22,222.49 ; v1(123.83,222.88) 124.22,223.28 ; v1(208.28,210.82) 208.67,211.21 ; v1(208.28,210.82) 207.89,210.43 ; v1(208.28,210.82) 207.89,211.21 ; v1(208.28,210.82) 208.67,210.43 ; v1(51.31,256.29) 51.7,255.89 ; v1(51.31,256.29) 50.91,256.68 ; v1(51.31,256.29) 50.91,255.89 ; v1(51.31,256.29) 51.7,256.68 ; 142.35,250.58 v1(142.75,250.19) ; v1(142.75,250.19) 143.14,249.8 ; v1(142.75,250.19) 143.14,250.58 ; v1(142.75,250.19) 142.35,249.8 ; v1(138.43,302.89) 138.82,302.5 ; v1(138.43,302.89) 138.04,303.29 ; v1(138.43,302.89) 138.82,303.29 ; v1(138.43,302.89) 138.04,302.5 ; v1(200.69,298.42) 201.08,298.82 ; v1(200.69,298.42) 201.08,298.03 ; v1(200.69,298.42) 200.29,298.82 ; v1(200.69,298.42) 200.29,298.03 ; v1(348.74,48.01) 349.14,47.61 ; v1(348.74,48.01) 348.35,47.61 ; v1(348.74,48.01) 348.35,48.4 ; v1(348.74,48.01) 349.14,48.4 ; v1(159.38,182.25) 159.78,182.64 ; v1(159.38,182.25) 158.99,182.64 ; v1(159.38,182.25) 159.78,181.85 ; v1(159.38,182.25) 158.99,181.85 ; 172.07,123.3 v1(172.47,123.7) ; v1(172.47,123.7) 172.86,124.09 ; v1(172.47,123.7) 172.07,124.09 ; v1(172.47,123.7) 172.86,123.3 ; 366.1,13.04 U234.1 ; U234.1 367.45,14.39 ; U234.1 367.45,13.04 ; U234.1 366.1,14.39 ; 202.17,159.78 v1(202.56,159.38) ; v1(202.56,159.38) 202.96,158.99 ; v1(202.56,159.38) 202.17,158.99 ; v1(202.56,159.38) 202.96,159.78 ; 155.77,234.02 v1(156.16,233.63) ; v1(156.16,233.63) 156.55,234.02 ; v1(156.16,233.63) 155.77,233.24 ; v1(156.16,233.63) 156.55,233.24 ; 284.09,231.38 v1(284.48,231.77) ; v1(284.48,231.77) 284.09,232.17 ; v1(284.48,231.77) 284.87,231.38 ; v1(284.48,231.77) 284.87,232.17 ; 185.79,123.84 v1(186.18,123.44) ; v1(186.18,123.44) 186.58,123.05 ; v1(186.18,123.44) 186.58,123.84 ; v1(186.18,123.44) 185.79,123.05 ; v1(234.57,64.52) 234.96,64.12 ; v1(234.57,64.52) 234.18,64.91 ; v1(234.57,64.52) 234.96,64.91 ; v1(234.57,64.52) 234.18,64.12 ; U229.1 392.09,41.49 ; U229.1 390.74,42.84 ; U229.1 392.09,42.84 ; U229.1 390.74,41.49 ; 18.66,274.71 v1(19.05,274.32) ; v1(19.05,274.32) 18.66,273.93 ; v1(19.05,274.32) 19.44,273.93 ; v1(19.05,274.32) 19.44,274.71 ; 147.56,172.48 v1(147.96,172.09) ; v1(147.96,172.09) 148.35,172.48 ; v1(147.96,172.09) 148.35,171.69 ; v1(147.96,172.09) 147.56,171.69 ; U151.1 312.83,36.01 ; U151.1 312.83,34.39 ; U151.1 311.21,34.39 ; U151.1 311.21,36.01 ; v1(273.69,219.71) 274.08,220.1 ; v1(273.69,219.71) 273.29,219.32 ; v1(273.69,219.71) 273.29,220.1 ; v1(273.69,219.71) 274.08,219.32 ; 266.31,279.79 v1(266.7,279.4) ; v1(266.7,279.4) 266.31,279.01 ; v1(266.7,279.4) 267.09,279.01 ; v1(266.7,279.4) 267.09,279.79 ; 77.74,222.62 v1(78.13,222.22) ; v1(78.13,222.22) 78.52,222.62 ; v1(78.13,222.22) 78.52,221.83 ; v1(78.13,222.22) 77.74,221.83 ; v1(280.29,196.72) 280.68,196.33 ; v1(280.29,196.72) 279.9,196.33 ; v1(280.29,196.72) 280.68,197.12 ; v1(280.29,196.72) 279.9,197.12 ; 305.47,217.77 v1(305.87,217.37) ; v1(305.87,217.37) 306.26,217.77 ; v1(305.87,217.37) 305.47,216.98 ; v1(305.87,217.37) 306.26,216.98 ; v1(233.43,165.61) 233.82,165.21 ; v1(233.43,165.61) 233.82,166 ; v1(233.43,165.61) 233.03,166 ; v1(233.43,165.61) 233.03,165.21 ; 343.85,151.42 v1(344.25,151.81) ; v1(344.25,151.81) 344.64,151.42 ; v1(344.25,151.81) 344.64,152.21 ; v1(344.25,151.81) 343.85,152.21 ; U107.3 332.01,277.59 ; U107.3 332.01,278.67 ; U107.3 330.93,277.59 ; U107.3 330.93,278.67 ; 83.51,87.76 U220.2 ; U220.2 83.51,85.79 ; U220.2 85.48,87.76 ; U220.2 85.48,85.79 ; U235.1 391.33,326.22 ; U235.1 389.98,327.57 ; U235.1 389.98,326.22 ; U235.1 391.33,327.57 ; v1(194.31,274.32) 194.7,273.93 ; v1(194.31,274.32) 194.7,274.71 ; v1(194.31,274.32) 193.92,273.93 ; v1(194.31,274.32) 193.92,274.71 ; v1(131.32,217.17) 131.71,217.56 ; v1(131.32,217.17) 131.71,216.78 ; v1(131.32,217.17) 130.92,216.78 ; v1(131.32,217.17) 130.92,217.56 ; 390.99,185.59 